# Altium PCB Board.PcbDoc (part 6 of 7) (continued)
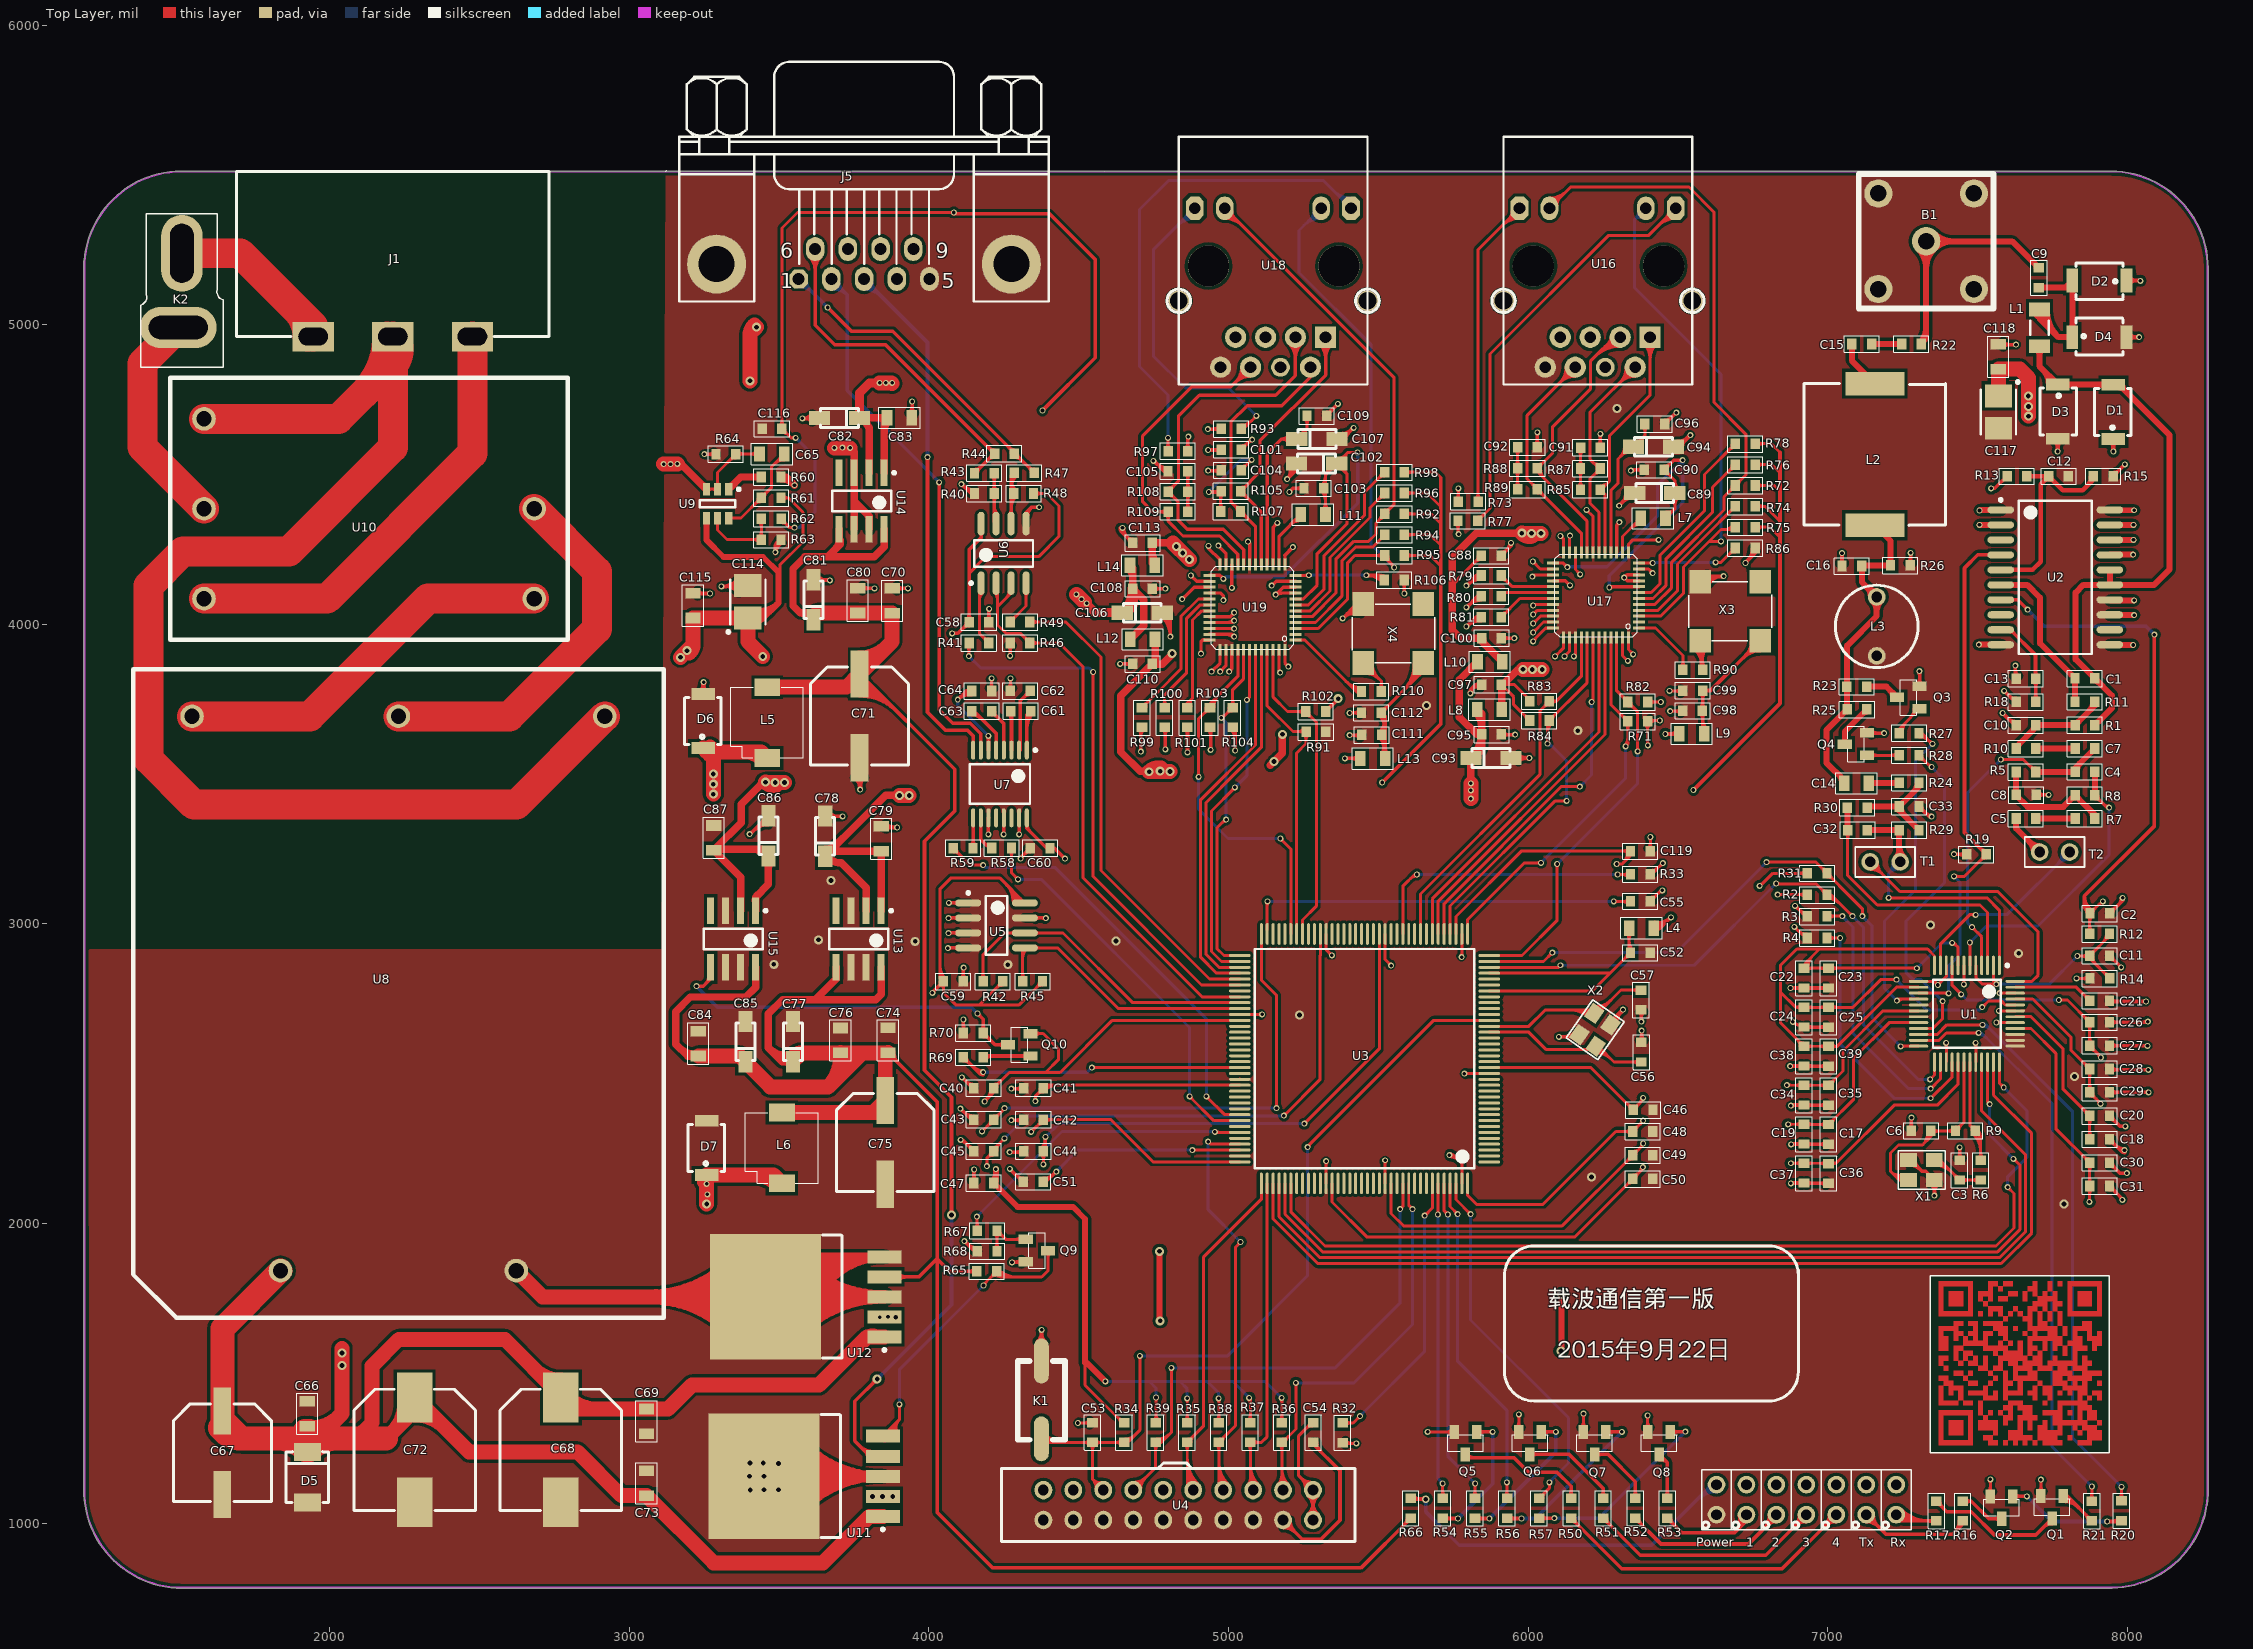
[diagram p0: Top Layer view]
## Nets (pads, with @x,y where several pads share a name; then routed paths per layer and width w, separated by ;. In a path a pad name is that pad's centre, name@x,y a point inside that pad or via, vN(x,y) a via of type N, cw(c..) or ccw(c..) an arc to the next point about the centre after c; other vN are vias at no path point) (continued)
; 7503.06,1404.79 7518.24,1404.79 ; 7503.06,1406.86 7518.24,1406.86 ; 7503.06,1408.93 7518.24,1408.93 ; 7503.06,1510.36 7534.8,1510.36 ; 7503.06,1512.43 7534.8,1512.43 ; 7503.06,1514.5 7534.8,1514.5 ; 7503.06,1516.57 7534.8,1516.57 ; 7503.06,1518.64 7534.8,1518.64 ; 7503.06,1520.71 7534.8,1520.71 ; 7503.06,1522.78 7534.8,1522.78 ; 7503.06,1524.85 7534.8,1524.85 ; 7503.06,1692.52 7518.24,1692.52 ; 7503.06,1694.59 7518.24,1694.59 ; 7503.06,1696.66 7518.24,1696.66 ; 7503.06,1698.73 7518.24,1698.73 ; 7503.06,1700.8 7518.24,1700.8 ; 7503.06,1702.87 7518.24,1702.87 ; 7503.06,1704.94 7518.24,1704.94 ; 7503.06,1707.01 7518.24,1707.01 ; 7503.06,1742.2 7518.24,1742.2 ; 7503.06,1744.27 7518.24,1744.27 ; 7503.06,1746.34 7518.24,1746.34 ; 7503.06,1748.41 7518.24,1748.41 ; 7503.06,1750.48 7518.24,1750.48 ; 7503.06,1752.55 7518.24,1752.55 ; 7503.06,1754.62 7518.24,1754.62 ; 7503.06,1756.69 7518.24,1756.69 ; 7503.06,1758.76 7551.36,1758.76 ; 7503.06,1760.83 7551.36,1760.83 ; 7503.06,1762.9 7551.36,1762.9 ; 7503.06,1764.97 7551.36,1764.97 ; 7503.06,1767.04 7551.36,1767.04 ; 7503.06,1769.11 7551.36,1769.11 ; 7503.06,1771.18 7551.36,1771.18 ; 7503.06,1773.25 7551.36,1773.25 ; 7519.62,1278.52 7551.36,1278.52 ; 7519.62,1280.59 7551.36,1280.59 ; 7519.62,1282.66 7551.36,1282.66 ; 7519.62,1284.73 7551.36,1284.73 ; 7519.62,1286.8 7551.36,1286.8 ; 7519.62,1288.87 7551.36,1288.87 ; 7519.62,1290.94 7551.36,1290.94 ; 7519.62,1293.01 7551.36,1293.01 ; 7519.62,1344.76 7534.8,1344.76 ; 7519.62,1346.83 7534.8,1346.83 ; 7519.62,1348.9 7534.8,1348.9 ; 7519.62,1350.97 7534.8,1350.97 ; 7519.62,1353.04 7534.8,1353.04 ; 7519.62,1355.11 7534.8,1355.11 ; 7519.62,1357.18 7534.8,1357.18 ; 7519.62,1359.25 7534.8,1359.25 ; 7519.62,1411 7567.92,1411 ; 7519.62,1413.07 7567.92,1413.07 ; 7519.62,1415.14 7567.92,1415.14 ; 7519.62,1417.21 7567.92,1417.21 ; 7519.62,1419.28 7567.92,1419.28 ; 7519.62,1421.35 7567.92,1421.35 ; 7519.62,1423.42 7567.92,1423.42 ; 7519.62,1425.49 7567.92,1425.49 ; 7519.62,1444.12 7534.8,1444.12 ; 7519.62,1446.19 7534.8,1446.19 ; 7519.62,1448.26 7534.8,1448.26 ; 7519.62,1450.33 7534.8,1450.33 ; 7519.62,1452.4 7534.8,1452.4 ; 7519.62,1454.47 7534.8,1454.47 ; 7519.62,1456.54 7534.8,1456.54 ; 7519.62,1458.61 7534.8,1458.61 ; 7519.62,1526.92 7534.8,1526.92 ; 7519.62,1528.99 7534.8,1528.99 ; 7519.62,1531.06 7534.8,1531.06 ; 7519.62,1533.13 7534.8,1533.13 ; 7519.62,1535.2 7534.8,1535.2 ; 7519.62,1537.27 7534.8,1537.27 ; 7519.62,1539.34 7534.8,1539.34 ; 7519.62,1541.41 7534.8,1541.41 ; 7519.62,1543.48 7534.8,1543.48 ; 7519.62,1545.55 7534.8,1545.55 ; 7519.62,1547.62 7534.8,1547.62 ; 7519.62,1549.69 7534.8,1549.69 ; 7519.62,1551.76 7534.8,1551.76 ; 7519.62,1553.83 7534.8,1553.83 ; 7519.62,1555.9 7534.8,1555.9 ; 7519.62,1557.97 7534.8,1557.97 ; 7519.62,1576.6 7601.04,1576.6 ; 7519.62,1578.67 7601.04,1578.67 ; 7519.62,1580.74 7601.04,1580.74 ; 7519.62,1582.81 7601.04,1582.81 ; 7519.62,1584.88 7601.04,1584.88 ; 7519.62,1586.95 7601.04,1586.95 ; 7519.62,1589.02 7601.04,1589.02 ; 7519.62,1591.09 7601.04,1591.09 ; 7519.62,1609.72 7534.8,1609.72 ; 7519.62,1611.79 7534.8,1611.79 ; 7519.62,1613.86 7534.8,1613.86 ; 7519.62,1615.93 7534.8,1615.93 ; 7519.62,1618 7534.8,1618 ; 7519.62,1620.07 7534.8,1620.07 ; 7519.62,1622.14 7534.8,1622.14 ; 7519.62,1624.21 7534.8,1624.21 ; 7519.62,1626.28 7551.36,1626.28 ; 7519.62,1628.35 7551.36,1628.35 ; 7519.62,1630.42 7551.36,1630.42 ; 7519.62,1632.49 7551.36,1632.49 ; 7519.62,1634.56 7551.36,1634.56 ; 7519.62,1636.63 7551.36,1636.63 ; 7519.62,1638.7 7551.36,1638.7 ; 7519.62,1640.77 7551.36,1640.77 ; 7519.62,1659.4 7584.48,1659.4 ; 7519.62,1661.47 7584.48,1661.47 ; 7519.62,1663.54 7584.48,1663.54 ; 7519.62,1665.61 7584.48,1665.61 ; 7519.62,1667.68 7584.48,1667.68 ; 7519.62,1669.75 7584.48,1669.75 ; 7519.62,1671.82 7584.48,1671.82 ; 7519.62,1673.89 7584.48,1673.89 ; 7519.62,1725.64 7534.8,1725.64 ; 7519.62,1727.71 7534.8,1727.71 ; 7519.62,1729.78 7534.8,1729.78 ; 7519.62,1731.85 7534.8,1731.85 ; 7519.62,1733.92 7534.8,1733.92 ; 7519.62,1735.99 7534.8,1735.99 ; 7519.62,1738.06 7534.8,1738.06 ; 7519.62,1740.13 7534.8,1740.13 ; 7536.18,1261.96 7567.92,1261.96 ; 7536.18,1264.03 7567.92,1264.03 ; 7536.18,1266.1 7567.92,1266.1 ; 7536.18,1268.17 7567.92,1268.17 ; 7536.18,1270.24 7567.92,1270.24 ; 7536.18,1272.31 7567.92,1272.31 ; 7536.18,1274.38 7567.92,1274.38 ; 7536.18,1276.45 7567.92,1276.45 ; 7536.18,1361.32 7551.36,1361.32 ; 7536.18,1363.39 7551.36,1363.39 ; 7536.18,1365.46 7551.36,1365.46 ; 7536.18,1367.53 7551.36,1367.53 ; 7536.18,1369.6 7551.36,1369.6 ; 7536.18,1371.67 7551.36,1371.67 ; 7536.18,1373.74 7551.36,1373.74 ; 7536.18,1375.81 7551.36,1375.81 ; 7536.18,1460.68 7551.36,1460.68 ; 7536.18,1462.75 7551.36,1462.75 ; 7536.18,1464.82 7551.36,1464.82 ; 7536.18,1466.89 7551.36,1466.89 ; 7536.18,1468.96 7551.36,1468.96 ; 7536.18,1471.03 7551.36,1471.03 ; 7536.18,1473.1 7551.36,1473.1 ; 7536.18,1475.17 7551.36,1475.17 ; 7536.18,1493.8 7551.36,1493.8 ; 7536.18,1495.87 7551.36,1495.87 ; 7536.18,1497.94 7551.36,1497.94 ; 7536.18,1500.01 7551.36,1500.01 ; 7536.18,1502.08 7551.36,1502.08 ; 7536.18,1504.15 7551.36,1504.15 ; 7536.18,1506.22 7551.36,1506.22 ; 7536.18,1508.29 7551.36,1508.29 ; 7536.18,1692.52 7551.36,1692.52 ; 7536.18,1694.59 7551.36,1694.59 ; 7536.18,1696.66 7551.36,1696.66 ; 7536.18,1698.73 7551.36,1698.73 ; 7536.18,1700.8 7551.36,1700.8 ; 7536.18,1702.87 7551.36,1702.87 ; 7536.18,1704.94 7551.36,1704.94 ; 7536.18,1707.01 7551.36,1707.01 ; 7536.18,1709.08 7584.48,1709.08 ; 7536.18,1711.15 7584.48,1711.15 ; 7536.18,1713.22 7584.48,1713.22 ; 7536.18,1715.29 7584.48,1715.29 ; 7536.18,1717.36 7584.48,1717.36 ; 7536.18,1719.43 7584.48,1719.43 ; 7536.18,1721.5 7584.48,1721.5 ; 7536.18,1723.57 7584.48,1723.57 ; 7536.18,1742.2 7551.36,1742.2 ; 7536.18,1744.27 7551.36,1744.27 ; 7536.18,1746.34 7551.36,1746.34 ; 7536.18,1748.41 7551.36,1748.41 ; 7536.18,1750.48 7551.36,1750.48 ; 7536.18,1752.55 7551.36,1752.55 ; 7536.18,1754.62 7551.36,1754.62 ; 7536.18,1756.69 7551.36,1756.69 ; 7536.18,1775.32 7551.36,1775.32 ; 7536.18,1777.39 7551.36,1777.39 ; 7536.18,1779.46 7551.36,1779.46 ; 7536.18,1781.53 7551.36,1781.53 ; 7536.18,1783.6 7551.36,1783.6 ; 7536.18,1785.67 7551.36,1785.67 ; 7536.18,1787.74 7551.36,1787.74 ; 7536.18,1789.81 7551.36,1789.81 ; 7536.18,1791.88 7567.92,1791.88 ; 7536.18,1793.95 7567.92,1793.95 ; 7536.18,1796.02 7567.92,1796.02 ; 7536.18,1798.09 7567.92,1798.09 ; 7536.18,1800.16 7567.92,1800.16 ; 7536.18,1802.23 7567.92,1802.23 ; 7536.18,1804.3 7567.92,1804.3 ; 7536.18,1806.37 7567.92,1806.37 ; 7552.74,1295.08 7567.92,1295.08 ; 7552.74,1297.15 7567.92,1297.15 ; 7552.74,1299.22 7567.92,1299.22 ; 7552.74,1301.29 7567.92,1301.29 ; 7552.74,1303.36 7567.92,1303.36 ; 7552.74,1305.43 7567.92,1305.43 ; 7552.74,1307.5 7567.92,1307.5 ; 7552.74,1309.57 7567.92,1309.57 ; 7552.74,1427.56 7567.92,1427.56 ; 7552.74,1429.63 7567.92,1429.63 ; 7552.74,1431.7 7567.92,1431.7 ; 7552.74,1433.77 7567.92,1433.77 ; 7552.74,1435.84 7567.92,1435.84 ; 7552.74,1437.91 7567.92,1437.91 ; 7552.74,1439.98 7567.92,1439.98 ; 7552.74,1442.05 7567.92,1442.05 ; 7552.74,1477.24 7567.92,1477.24 ; 7552.74,1479.31 7567.92,1479.31 ; 7552.74,1481.38 7567.92,1481.38 ; 7552.74,1483.45 7567.92,1483.45 ; 7552.74,1485.52 7567.92,1485.52 ; 7552.74,1487.59 7567.92,1487.59 ; 7552.74,1489.66 7567.92,1489.66 ; 7552.74,1491.73 7567.92,1491.73 ; 7552.74,1510.36 7584.48,1510.36 ; 7552.74,1512.43 7584.48,1512.43 ; 7552.74,1514.5 7584.48,1514.5 ; 7552.74,1516.57 7584.48,1516.57 ; 7552.74,1518.64 7584.48,1518.64 ; 7552.74,1520.71 7584.48,1520.71 ; 7552.74,1522.78 7584.48,1522.78 ; 7552.74,1524.85 7584.48,1524.85 ; 7552.74,1560.04 7567.92,1560.04 ; 7552.74,1562.11 7567.92,1562.11 ; 7552.74,1564.18 7567.92,1564.18 ; 7552.74,1566.25 7567.92,1566.25 ; 7552.74,1568.32 7567.92,1568.32 ; 7552.74,1570.39 7567.92,1570.39 ; 7552.74,1572.46 7567.92,1572.46 ; 7552.74,1574.53 7567.92,1574.53 ; 7552.74,1642.84 7601.04,1642.84 ; 7552.74,1644.91 7601.04,1644.91 ; 7552.74,1646.98 7601.04,1646.98 ; 7552.74,1649.05 7601.04,1649.05 ; 7552.74,1651.12 7601.04,1651.12 ; 7552.74,1653.19 7601.04,1653.19 ; 7552.74,1655.26 7601.04,1655.26 ; 7552.74,1657.33 7601.04,1657.33 ; 7569.3,1361.32 7584.48,1361.32 ; 7569.3,1363.39 7584.48,1363.39 ; 7569.3,1365.46 7584.48,1365.46 ; 7569.3,1367.53 7584.48,1367.53 ; 7569.3,1369.6 7584.48,1369.6 ; 7569.3,1371.67 7584.48,1371.67 ; 7569.3,1373.74 7584.48,1373.74 ; 7569.3,1375.81 7584.48,1375.81 ; 7569.3,1526.92 7584.48,1526.92 ; 7569.3,1528.99 7584.48,1528.99 ; 7569.3,1531.06 7584.48,1531.06 ; 7569.3,1533.13 7584.48,1533.13 ; 7569.3,1535.2 7584.48,1535.2 ; 7569.3,1537.27 7584.48,1537.27 ; 7569.3,1539.34 7584.48,1539.34 ; 7569.3,1541.41 7584.48,1541.41 ; 7569.3,1543.48 7667.28,1543.48 ; 7569.3,1545.55 7667.28,1545.55 ; 7569.3,1547.62 7667.28,1547.62 ; 7569.3,1549.69 7667.28,1549.69 ; 7569.3,1551.76 7667.28,1551.76 ; 7569.3,1553.83 7667.28,1553.83 ; 7569.3,1555.9 7667.28,1555.9 ; 7569.3,1557.97 7667.28,1557.97 ; 7569.3,1593.16 7584.48,1593.16 ; 7569.3,1595.23 7584.48,1595.23 ; 7569.3,1597.3 7584.48,1597.3 ; 7569.3,1599.37 7584.48,1599.37 ; 7569.3,1601.44 7584.48,1601.44 ; 7569.3,1603.51 7584.48,1603.51 ; 7569.3,1605.58 7584.48,1605.58 ; 7569.3,1607.65 7584.48,1607.65 ; 7569.3,1626.28 7601.04,1626.28 ; 7569.3,1628.35 7601.04,1628.35 ; 7569.3,1630.42 7601.04,1630.42 ; 7569.3,1632.49 7601.04,1632.49 ; 7569.3,1634.56 7601.04,1634.56 ; 7569.3,1636.63 7601.04,1636.63 ; 7569.3,1638.7 7601.04,1638.7 ; 7569.3,1640.77 7601.04,1640.77 ; 7569.3,1692.52 7584.48,1692.52 ; 7569.3,1694.59 7584.48,1694.59 ; 7569.3,1696.66 7584.48,1696.66 ; 7569.3,1698.73 7584.48,1698.73 ; 7569.3,1700.8 7584.48,1700.8 ; 7569.3,1702.87 7584.48,1702.87 ; 7569.3,1704.94 7584.48,1704.94 ; 7569.3,1707.01 7584.48,1707.01 ; 7569.3,1742.2 7601.04,1742.2 ; 7569.3,1744.27 7601.04,1744.27 ; 7569.3,1746.34 7601.04,1746.34 ; 7569.3,1748.41 7601.04,1748.41 ; 7569.3,1750.48 7601.04,1750.48 ; 7569.3,1752.55 7601.04,1752.55 ; 7569.3,1754.62 7601.04,1754.62 ; 7569.3,1756.69 7601.04,1756.69 ; 7569.3,1775.32 7584.48,1775.32 ; 7569.3,1777.39 7584.48,1777.39 ; 7569.3,1779.46 7584.48,1779.46 ; 7569.3,1781.53 7584.48,1781.53 ; 7569.3,1783.6 7584.48,1783.6 ; 7569.3,1785.67 7584.48,1785.67 ; 7569.3,1787.74 7584.48,1787.74 ; 7569.3,1789.81 7584.48,1789.81 ; 7585.86,1261.96 7601.04,1261.96 ; 7585.86,1264.03 7601.04,1264.03 ; 7585.86,1266.1 7601.04,1266.1 ; 7585.86,1268.17 7601.04,1268.17 ; 7585.86,1270.24 7601.04,1270.24 ; 7585.86,1272.31 7601.04,1272.31 ; 7585.86,1274.38 7601.04,1274.38 ; 7585.86,1276.45 7601.04,1276.45 ; 7585.86,1328.2 7601.04,1328.2 ; 7585.86,1330.27 7601.04,1330.27 ; 7585.86,1332.34 7601.04,1332.34 ; 7585.86,1334.41 7601.04,1334.41 ; 7585.86,1336.48 7601.04,1336.48 ; 7585.86,1338.55 7601.04,1338.55 ; 7585.86,1340.62 7601.04,1340.62 ; 7585.86,1342.69 7601.04,1342.69 ; 7585.86,1344.76 7617.6,1344.76 ; 7585.86,1346.83 7617.6,1346.83 ; 7585.86,1348.9 7617.6,1348.9 ; 7585.86,1350.97 7617.6,1350.97 ; 7585.86,1353.04 7617.6,1353.04 ; 7585.86,1355.11 7617.6,1355.11 ; 7585.86,1357.18 7617.6,1357.18 ; 7585.86,1359.25 7617.6,1359.25 ; 7585.86,1377.88 7617.6,1377.88 ; 7585.86,1379.95 7617.6,1379.95 ; 7585.86,1382.02 7617.6,1382.02 ; 7585.86,1384.09 7617.6,1384.09 ; 7585.86,1386.16 7617.6,1386.16 ; 7585.86,1388.23 7617.6,1388.23 ; 7585.86,1390.3 7617.6,1390.3 ; 7585.86,1392.37 7617.6,1392.37 ; 7585.86,1411 7601.04,1411 ; 7585.86,1413.07 7601.04,1413.07 ; 7585.86,1415.14 7601.04,1415.14 ; 7585.86,1417.21 7601.04,1417.21 ; 7585.86,1419.28 7601.04,1419.28 ; 7585.86,1421.35 7601.04,1421.35 ; 7585.86,1423.42 7601.04,1423.42 ; 7585.86,1425.49 7601.04,1425.49 ; 7585.86,1427.56 7650.72,1427.56 ; 7585.86,1429.63 7650.72,1429.63 ; 7585.86,1431.7 7650.72,1431.7 ; 7585.86,1433.77 7650.72,1433.77 ; 7585.86,1435.84 7650.72,1435.84 ; 7585.86,1437.91 7650.72,1437.91 ; 7585.86,1439.98 7650.72,1439.98 ; 7585.86,1442.05 7650.72,1442.05 ; 7585.86,1444.12 7601.04,1444.12 ; 7585.86,1446.19 7601.04,1446.19 ; 7585.86,1448.26 7601.04,1448.26 ; 7585.86,1450.33 7601.04,1450.33 ; 7585.86,1452.4 7601.04,1452.4 ; 7585.86,1454.47 7601.04,1454.47 ; 7585.86,1456.54 7601.04,1456.54 ; 7585.86,1458.61 7601.04,1458.61 ; 7585.86,1460.68 7617.6,1460.68 ; 7585.86,1462.75 7617.6,1462.75 ; 7585.86,1464.82 7617.6,1464.82 ; 7585.86,1466.89 7617.6,1466.89 ; 7585.86,1468.96 7617.6,1468.96 ; 7585.86,1471.03 7617.6,1471.03 ; 7585.86,1473.1 7617.6,1473.1 ; 7585.86,1475.17 7617.6,1475.17 ; 7585.86,1477.24 7601.04,1477.24 ; 7585.86,1479.31 7601.04,1479.31 ; 7585.86,1481.38 7601.04,1481.38 ; 7585.86,1483.45 7601.04,1483.45 ; 7585.86,1485.52 7601.04,1485.52 ; 7585.86,1487.59 7601.04,1487.59 ; 7585.86,1489.66 7601.04,1489.66 ; 7585.86,1491.73 7601.04,1491.73 ; 7585.86,1493.8 7601.04,1493.8 ; 7585.86,1495.87 7601.04,1495.87 ; 7585.86,1497.94 7601.04,1497.94 ; 7585.86,1500.01 7601.04,1500.01 ; 7585.86,1502.08 7601.04,1502.08 ; 7585.86,1504.15 7601.04,1504.15 ; 7585.86,1506.22 7601.04,1506.22 ; 7585.86,1508.29 7601.04,1508.29 ; 7585.86,1560.04 7650.72,1560.04 ; 7585.86,1562.11 7650.72,1562.11 ; 7585.86,1564.18 7650.72,1564.18 ; 7585.86,1566.25 7650.72,1566.25 ; 7585.86,1568.32 7650.72,1568.32 ; 7585.86,1570.39 7650.72,1570.39 ; 7585.86,1572.46 7650.72,1572.46 ; 7585.86,1574.53 7650.72,1574.53 ; 7585.86,1609.72 7601.04,1609.72 ; 7585.86,1611.79 7601.04,1611.79 ; 7585.86,1613.86 7601.04,1613.86 ; 7585.86,1615.93 7601.04,1615.93 ; 7585.86,1618 7601.04,1618 ; 7585.86,1620.07 7601.04,1620.07 ; 7585.86,1622.14 7601.04,1622.14 ; 7585.86,1624.21 7601.04,1624.21 ; 7585.86,1675.96 7601.04,1675.96 ; 7585.86,1678.03 7601.04,1678.03 ; 7585.86,1680.1 7601.04,1680.1 ; 7585.86,1682.17 7601.04,1682.17 ; 7585.86,1684.24 7601.04,1684.24 ; 7585.86,1686.31 7601.04,1686.31 ; 7585.86,1688.38 7601.04,1688.38 ; 7585.86,1690.45 7601.04,1690.45 ; 7585.86,1791.88 7617.6,1791.88 ; 7585.86,1793.95 7617.6,1793.95 ; 7585.86,1796.02 7617.6,1796.02 ; 7585.86,1798.09 7617.6,1798.09 ; 7585.86,1800.16 7617.6,1800.16 ; 7585.86,1802.23 7617.6,1802.23 ; 7585.86,1804.3 7617.6,1804.3 ; 7585.86,1806.37 7617.6,1806.37 ; 7602.42,1278.52 7683.84,1278.52 ; 7602.42,1280.59 7683.84,1280.59 ; 7602.42,1282.66 7683.84,1282.66 ; 7602.42,1284.73 7683.84,1284.73 ; 7602.42,1286.8 7683.84,1286.8 ; 7602.42,1288.87 7683.84,1288.87 ; 7602.42,1290.94 7683.84,1290.94 ; 7602.42,1293.01 7683.84,1293.01 ; 7602.42,1295.08 7650.72,1295.08 ; 7602.42,1297.15 7650.72,1297.15 ; 7602.42,1299.22 7650.72,1299.22 ; 7602.42,1301.29 7650.72,1301.29 ; 7602.42,1303.36 7650.72,1303.36 ; 7602.42,1305.43 7650.72,1305.43 ; 7602.42,1307.5 7650.72,1307.5 ; 7602.42,1309.57 7650.72,1309.57 ; 7602.42,1361.32 7617.6,1361.32 ; 7602.42,1363.39 7617.6,1363.39 ; 7602.42,1365.46 7617.6,1365.46 ; 7602.42,1367.53 7617.6,1367.53 ; 7602.42,1369.6 7617.6,1369.6 ; 7602.42,1371.67 7617.6,1371.67 ; 7602.42,1373.74 7617.6,1373.74 ; 7602.42,1375.81 7617.6,1375.81 ; 7602.42,1394.44 7650.72,1394.44 ; 7602.42,1396.51 7650.72,1396.51 ; 7602.42,1398.58 7650.72,1398.58 ; 7602.42,1400.65 7650.72,1400.65 ; 7602.42,1402.72 7650.72,1402.72 ; 7602.42,1404.79 7650.72,1404.79 ; 7602.42,1406.86 7650.72,1406.86 ; 7602.42,1408.93 7650.72,1408.93 ; 7602.42,1526.92 7634.16,1526.92 ; 7602.42,1528.99 7634.16,1528.99 ; 7602.42,1531.06 7634.16,1531.06 ; 7602.42,1533.13 7634.16,1533.13 ; 7602.42,1535.2 7634.16,1535.2 ; 7602.42,1537.27 7634.16,1537.27 ; 7602.42,1539.34 7634.16,1539.34 ; 7602.42,1541.41 7634.16,1541.41 ; 7602.42,1593.16 7617.6,1593.16 ; 7602.42,1595.23 7617.6,1595.23 ; 7602.42,1597.3 7617.6,1597.3 ; 7602.42,1599.37 7617.6,1599.37 ; 7602.42,1601.44 7617.6,1601.44 ; 7602.42,1603.51 7617.6,1603.51 ; 7602.42,1605.58 7617.6,1605.58 ; 7602.42,1607.65 7617.6,1607.65 ; 7602.42,1692.52 7617.6,1692.52 ; 7602.42,1694.59 7617.6,1694.59 ; 7602.42,1696.66 7617.6,1696.66 ; 7602.42,1698.73 7617.6,1698.73 ; 7602.42,1700.8 7617.6,1700.8 ; 7602.42,1702.87 7617.6,1702.87 ; 7602.42,1704.94 7617.6,1704.94 ; 7602.42,1707.01 7617.6,1707.01 ; 7602.42,1758.76 7634.16,1758.76 ; 7602.42,1760.83 7634.16,1760.83 ; 7602.42,1762.9 7634.16,1762.9 ; 7602.42,1764.97 7634.16,1764.97 ; 7602.42,1767.04 7634.16,1767.04 ; 7602.42,1769.11 7634.16,1769.11 ; 7602.42,1771.18 7634.16,1771.18 ; 7602.42,1773.25 7634.16,1773.25 ; 7618.98,1261.96 7634.16,1261.96 ; 7618.98,1264.03 7634.16,1264.03 ; 7618.98,1266.1 7634.16,1266.1 ; 7618.98,1268.17 7634.16,1268.17 ; 7618.98,1270.24 7634.16,1270.24 ; 7618.98,1272.31 7634.16,1272.31 ; 7618.98,1274.38 7634.16,1274.38 ; 7618.98,1276.45 7634.16,1276.45 ; 7618.98,1477.24 7700.4,1477.24 ; 7618.98,1479.31 7700.4,1479.31 ; 7618.98,1481.38 7700.4,1481.38 ; 7618.98,1483.45 7700.4,1483.45 ; 7618.98,1485.52 7700.4,1485.52 ; 7618.98,1487.59 7700.4,1487.59 ; 7618.98,1489.66 7700.4,1489.66 ; 7618.98,1491.73 7700.4,1491.73 ; 7618.98,1493.8 7634.16,1493.8 ; 7618.98,1495.87 7634.16,1495.87 ; 7618.98,1497.94 7634.16,1497.94 ; 7618.98,1500.01 7634.16,1500.01 ; 7618.98,1502.08 7634.16,1502.08 ; 7618.98,1504.15 7634.16,1504.15 ; 7618.98,1506.22 7634.16,1506.22 ; 7618.98,1508.29 7634.16,1508.29 ; 7618.98,1510.36 7683.84,1510.36 ; 7618.98,1512.43 7683.84,1512.43 ; 7618.98,1514.5 7683.84,1514.5 ; 7618.98,1516.57 7683.84,1516.57 ; 7618.98,1518.64 7683.84,1518.64 ; 7618.98,1520.71 7683.84,1520.71 ; 7618.98,1522.78 7683.84,1522.78 ; 7618.98,1524.85 7683.84,1524.85 ; 7618.98,1642.84 7634.16,1642.84 ; 7618.98,1644.91 7634.16,1644.91 ; 7618.98,1646.98 7634.16,1646.98 ; 7618.98,1649.05 7634.16,1649.05 ; 7618.98,1651.12 7634.16,1651.12 ; 7618.98,1653.19 7634.16,1653.19 ; 7618.98,1655.26 7634.16,1655.26 ; 7618.98,1657.33 7634.16,1657.33 ; 7618.98,1709.08 7634.16,1709.08 ; 7618.98,1711.15 7634.16,1711.15 ; 7618.98,1713.22 7634.16,1713.22 ; 7618.98,1715.29 7634.16,1715.29 ; 7618.98,1717.36 7634.16,1717.36 ; 7618.98,1719.43 7634.16,1719.43 ; 7618.98,1721.5 7634.16,1721.5 ; 7618.98,1723.57 7634.16,1723.57 ; 7635.54,1311.64 7650.72,1311.64 ; 7635.54,1313.71 7650.72,1313.71 ; 7635.54,1315.78 7650.72,1315.78 ; 7635.54,1317.85 7650.72,1317.85 ; 7635.54,1319.92 7650.72,1319.92 ; 7635.54,1321.99 7650.72,1321.99 ; 7635.54,1324.06 7650.72,1324.06 ; 7635.54,1326.13 7650.72,1326.13 ; 7635.54,1328.2 7650.72,1328.2 ; 7635.54,1330.27 7650.72,1330.27 ; 7635.54,1332.34 7650.72,1332.34 ; 7635.54,1334.41 7650.72,1334.41 ; 7635.54,1336.48 7650.72,1336.48 ; 7635.54,1338.55 7650.72,1338.55 ; 7635.54,1340.62 7650.72,1340.62 ; 7635.54,1342.69 7650.72,1342.69 ; 7635.54,1344.76 7700.4,1344.76 ; 7635.54,1346.83 7700.4,1346.83 ; 7635.54,1348.9 7700.4,1348.9 ; 7635.54,1350.97 7700.4,1350.97 ; 7635.54,1353.04 7700.4,1353.04 ; 7635.54,1355.11 7700.4,1355.11 ; 7635.54,1357.18 7700.4,1357.18 ; 7635.54,1359.25 7700.4,1359.25 ; 7635.54,1377.88 7683.84,1377.88 ; 7635.54,1379.95 7683.84,1379.95 ; 7635.54,1382.02 7683.84,1382.02 ; 7635.54,1384.09 7683.84,1384.09 ; 7635.54,1386.16 7683.84,1386.16 ; 7635.54,1388.23 7683.84,1388.23 ; 7635.54,1390.3 7683.84,1390.3 ; 7635.54,1392.37 7683.84,1392.37 ; 7635.54,1444.12 7650.72,1444.12 ; 7635.54,1446.19 7650.72,1446.19 ; 7635.54,1448.26 7650.72,1448.26 ; 7635.54,1450.33 7650.72,1450.33 ; 7635.54,1452.4 7650.72,1452.4 ; 7635.54,1454.47 7650.72,1454.47 ; 7635.54,1456.54 7650.72,1456.54 ; 7635.54,1458.61 7650.72,1458.61 ; 7635.54,1460.68 7650.72,1460.68 ; 7635.54,1462.75 7650.72,1462.75 ; 7635.54,1464.82 7650.72,1464.82 ; 7635.54,1466.89 7650.72,1466.89 ; 7635.54,1468.96 7650.72,1468.96 ; 7635.54,1471.03 7650.72,1471.03 ; 7635.54,1473.1 7650.72,1473.1 ; 7635.54,1475.17 7650.72,1475.17 ; 7635.54,1576.6 7650.72,1576.6 ; 7635.54,1578.67 7650.72,1578.67 ; 7635.54,1580.74 7650.72,1580.74 ; 7635.54,1582.81 7650.72,1582.81 ; 7635.54,1584.88 7650.72,1584.88 ; 7635.54,1586.95 7650.72,1586.95 ; 7635.54,1589.02 7650.72,1589.02 ; 7635.54,1591.09 7650.72,1591.09 ; 7635.54,1593.16 7650.72,1593.16 ; 7635.54,1595.23 7650.72,1595.23 ; 7635.54,1597.3 7650.72,1597.3 ; 7635.54,1599.37 7650.72,1599.37 ; 7635.54,1601.44 7650.72,1601.44 ; 7635.54,1603.51 7650.72,1603.51 ; 7635.54,1605.58 7650.72,1605.58 ; 7635.54,1607.65 7650.72,1607.65 ; 7635.54,1692.52 7650.72,1692.52 ; 7635.54,1694.59 7650.72,1694.59 ; 7635.54,1696.66 7650.72,1696.66 ; 7635.54,1698.73 7650.72,1698.73 ; 7635.54,1700.8 7650.72,1700.8 ; 7635.54,1702.87 7650.72,1702.87 ; 7635.54,1704.94 7650.72,1704.94 ; 7635.54,1707.01 7650.72,1707.01 ; 7652.1,1261.96 7667.28,1261.96 ; 7652.1,1264.03 7667.28,1264.03 ; 7652.1,1266.1 7667.28,1266.1 ; 7652.1,1268.17 7667.28,1268.17 ; 7652.1,1270.24 7667.28,1270.24 ; 7652.1,1272.31 7667.28,1272.31 ; 7652.1,1274.38 7667.28,1274.38 ; 7652.1,1276.45 7667.28,1276.45 ; 7652.1,1361.32 7683.84,1361.32 ; 7652.1,1363.39 7683.84,1363.39 ; 7652.1,1365.46 7683.84,1365.46 ; 7652.1,1367.53 7683.84,1367.53 ; 7652.1,1369.6 7683.84,1369.6 ; 7652.1,1371.67 7683.84,1371.67 ; 7652.1,1373.74 7683.84,1373.74 ; 7652.1,1375.81 7683.84,1375.81 ; 7652.1,1526.92 7716.96,1526.92 ; 7652.1,1528.99 7716.96,1528.99 ; 7652.1,1531.06 7716.96,1531.06 ; 7652.1,1533.13 7716.96,1533.13 ; 7652.1,1535.2 7716.96,1535.2 ; 7652.1,1537.27 7716.96,1537.27 ; 7652.1,1539.34 7716.96,1539.34 ; 7652.1,1541.41 7716.96,1541.41 ; 7652.1,1626.28 7667.28,1626.28 ; 7652.1,1628.35 7667.28,1628.35 ; 7652.1,1630.42 7667.28,1630.42 ; 7652.1,1632.49 7667.28,1632.49 ; 7652.1,1634.56 7667.28,1634.56 ; 7652.1,1636.63 7667.28,1636.63 ; 7652.1,1638.7 7667.28,1638.7 ; 7652.1,1640.77 7667.28,1640.77 ; 7652.1,1675.96 7683.84,1675.96 ; 7652.1,1678.03 7683.84,1678.03 ; 7652.1,1680.1 7683.84,1680.1 ; 7652.1,1682.17 7683.84,1682.17 ; 7652.1,1684.24 7683.84,1684.24 ; 7652.1,1686.31 7683.84,1686.31 ; 7652.1,1688.38 7683.84,1688.38 ; 7652.1,1690.45 7683.84,1690.45 ; 7652.1,1742.2 7667.28,1742.2 ; 7652.1,1744.27 7667.28,1744.27 ; 7652.1,1746.34 7667.28,1746.34 ; 7652.1,1748.41 7667.28,1748.41 ; 7652.1,1750.48 7667.28,1750.48 ; 7652.1,1752.55 7667.28,1752.55 ; 7652.1,1754.62 7667.28,1754.62 ; 7652.1,1756.69 7667.28,1756.69 ; 7652.1,1758.76 7667.28,1758.76 ; 7652.1,1760.83 7667.28,1760.83 ; 7652.1,1762.9 7667.28,1762.9 ; 7652.1,1764.97 7667.28,1764.97 ; 7652.1,1767.04 7667.28,1767.04 ; 7652.1,1769.11 7667.28,1769.11 ; 7652.1,1771.18 7667.28,1771.18 ; 7652.1,1773.25 7667.28,1773.25 ; 7668.66,1311.64 7683.84,1311.64 ; 7668.66,1313.71 7683.84,1313.71 ; 7668.66,1315.78 7683.84,1315.78 ; 7668.66,1317.85 7683.84,1317.85 ; 7668.66,1319.92 7683.84,1319.92 ; 7668.66,1321.99 7683.84,1321.99 ; 7668.66,1324.06 7683.84,1324.06 ; 7668.66,1326.13 7683.84,1326.13 ; 7668.66,1328.2 7683.84,1328.2 ; 7668.66,1330.27 7683.84,1330.27 ; 7668.66,1332.34 7683.84,1332.34 ; 7668.66,1334.41 7683.84,1334.41 ; 7668.66,1336.48 7683.84,1336.48 ; 7668.66,1338.55 7683.84,1338.55 ; 7668.66,1340.62 7683.84,1340.62 ; 7668.66,1342.69 7683.84,1342.69 ; 7668.66,1427.56 7700.4,1427.56 ; 7668.66,1429.63 7700.4,1429.63 ; 7668.66,1431.7 7700.4,1431.7 ; 7668.66,1433.77 7700.4,1433.77 ; 7668.66,1435.84 7700.4,1435.84 ; 7668.66,1437.91 7700.4,1437.91 ; 7668.66,1439.98 7700.4,1439.98 ; 7668.66,1442.05 7700.4,1442.05 ; 7668.66,1493.8 7700.4,1493.8 ; 7668.66,1495.87 7700.4,1495.87 ; 7668.66,1497.94 7700.4,1497.94 ; 7668.66,1500.01 7700.4,1500.01 ; 7668.66,1502.08 7700.4,1502.08 ; 7668.66,1504.15 7700.4,1504.15 ; 7668.66,1506.22 7700.4,1506.22 ; 7668.66,1508.29 7700.4,1508.29 ; 7668.66,1560.04 7683.84,1560.04 ; 7668.66,1562.11 7683.84,1562.11 ; 7668.66,1564.18 7683.84,1564.18 ; 7668.66,1566.25 7683.84,1566.25 ; 7668.66,1568.32 7683.84,1568.32 ; 7668.66,1570.39 7683.84,1570.39 ; 7668.66,1572.46 7683.84,1572.46 ; 7668.66,1574.53 7683.84,1574.53 ; 7668.66,1576.6 7700.4,1576.6 ; 7668.66,1578.67 7700.4,1578.67 ; 7668.66,1580.74 7700.4,1580.74 ; 7668.66,1582.81 7700.4,1582.81 ; 7668.66,1584.88 7700.4,1584.88 ; 7668.66,1586.95 7700.4,1586.95 ; 7668.66,1589.02 7700.4,1589.02 ; 7668.66,1591.09 7700.4,1591.09 ; 7668.66,1593.16 7683.84,1593.16 ; 7668.66,1595.23 7683.84,1595.23 ; 7668.66,1597.3 7683.84,1597.3 ; 7668.66,1599.37 7683.84,1599.37 ; 7668.66,1601.44 7683.84,1601.44 ; 7668.66,1603.51 7683.84,1603.51 ; 7668.66,1605.58 7683.84,1605.58 ; 7668.66,1607.65 7683.84,1607.65 ; 7668.66,1609.72 7783.2,1609.72 ; 7668.66,1611.79 7783.2,1611.79 ; 7668.66,1613.86 7783.2,1613.86 ; 7668.66,1615.93 7783.2,1615.93 ; 7668.66,1618 7783.2,1618 ; 7668.66,1620.07 7783.2,1620.07 ; 7668.66,1622.14 7783.2,1622.14 ; 7668.66,1624.21 7783.2,1624.21 ; 7668.66,1642.84 7766.64,1642.84 ; 7668.66,1644.91 7766.64,1644.91 ; 7668.66,1646.98 7766.64,1646.98 ; 7668.66,1649.05 7766.64,1649.05 ; 7668.66,1651.12 7766.64,1651.12 ; 7668.66,1653.19 7766.64,1653.19 ; 7668.66,1655.26 7766.64,1655.26 ; 7668.66,1657.33 7766.64,1657.33 ; 7668.66,1659.4 7683.84,1659.4 ; 7668.66,1661.47 7683.84,1661.47 ; 7668.66,1663.54 7683.84,1663.54 ; 7668.66,1665.61 7683.84,1665.61 ; 7668.66,1667.68 7683.84,1667.68 ; 7668.66,1669.75 7683.84,1669.75 ; 7668.66,1671.82 7683.84,1671.82 ; 7668.66,1673.89 7683.84,1673.89 ; 7668.66,1692.52 7683.84,1692.52 ; 7668.66,1694.59 7683.84,1694.59 ; 7668.66,1696.66 7683.84,1696.66 ; 7668.66,1698.73 7683.84,1698.73 ; 7668.66,1700.8 7683.84,1700.8 ; 7668.66,1702.87 7683.84,1702.87 ; 7668.66,1704.94 7683.84,1704.94 ; 7668.66,1707.01 7683.84,1707.01 ; 7668.66,1709.08 7700.4,1709.08 ; 7668.66,1711.15 7700.4,1711.15 ; 7668.66,1713.22 7700.4,1713.22 ; 7668.66,1715.29 7700.4,1715.29 ; 7668.66,1717.36 7700.4,1717.36 ; 7668.66,1719.43 7700.4,1719.43 ; 7668.66,1721.5 7700.4,1721.5 ; 7668.66,1723.57 7700.4,1723.57 ; 7668.66,1775.32 7700.4,1775.32 ; 7668.66,1777.39 7700.4,1777.39 ; 7668.66,1779.46 7700.4,1779.46 ; 7668.66,1781.53 7700.4,1781.53 ; 7668.66,1783.6 7700.4,1783.6 ; 7668.66,1785.67 7700.4,1785.67 ; 7668.66,1787.74 7700.4,1787.74 ; 7668.66,1789.81 7700.4,1789.81 ; 7685.22,1261.96 7700.4,1261.96 ; 7685.22,1264.03 7700.4,1264.03 ; 7685.22,1266.1 7700.4,1266.1 ; 7685.22,1268.17 7700.4,1268.17 ; 7685.22,1270.24 7700.4,1270.24 ; 7685.22,1272.31 7700.4,1272.31 ; 7685.22,1274.38 7700.4,1274.38 ; 7685.22,1276.45 7700.4,1276.45 ; 7685.22,1411 7700.4,1411 ; 7685.22,1413.07 7700.4,1413.07 ; 7685.22,1415.14 7700.4,1415.14 ; 7685.22,1417.21 7700.4,1417.21 ; 7685.22,1419.28 7700.4,1419.28 ; 7685.22,1421.35 7700.4,1421.35 ; 7685.22,1423.42 7700.4,1423.42 ; 7685.22,1425.49 7700.4,1425.49 ; 7685.22,1444.12 7700.4,1444.12 ; 7685.22,1446.19 7700.4,1446.19 ; 7685.22,1448.26 7700.4,1448.26 ; 7685.22,1450.33 7700.4,1450.33 ; 7685.22,1452.4 7700.4,1452.4 ; 7685.22,1454.47 7700.4,1454.47 ; 7685.22,1456.54 7700.4,1456.54 ; 7685.22,1458.61 7700.4,1458.61 ; 7685.22,1543.48 7716.96,1543.48 ; 7685.22,1545.55 7716.96,1545.55 ; 7685.22,1547.62 7716.96,1547.62 ; 7685.22,1549.69 7716.96,1549.69 ; 7685.22,1551.76 7716.96,1551.76 ; 7685.22,1553.83 7716.96,1553.83 ; 7685.22,1555.9 7716.96,1555.9 ; 7685.22,1557.97 7716.96,1557.97 ; 7685.22,1626.28 7700.4,1626.28 ; 7685.22,1628.35 7700.4,1628.35 ; 7685.22,1630.42 7700.4,1630.42 ; 7685.22,1632.49 7700.4,1632.49 ; 7685.22,1634.56 7700.4,1634.56 ; 7685.22,1636.63 7700.4,1636.63 ; 7685.22,1638.7 7700.4,1638.7 ; 7685.22,1640.77 7700.4,1640.77 ; 7685.22,1725.64 7733.52,1725.64 ; 7685.22,1727.71 7733.52,1727.71 ; 7685.22,1729.78 7733.52,1729.78 ; 7685.22,1731.85 7733.52,1731.85 ; 7685.22,1733.92 7733.52,1733.92 ; 7685.22,1735.99 7733.52,1735.99 ; 7685.22,1738.06 7733.52,1738.06 ; 7685.22,1740.13 7733.52,1740.13 ; 7685.22,1758.76 7700.4,1758.76 ; 7685.22,1760.83 7700.4,1760.83 ; 7685.22,1762.9 7700.4,1762.9 ; 7685.22,1764.97 7700.4,1764.97 ; 7685.22,1767.04 7700.4,1767.04 ; 7685.22,1769.11 7700.4,1769.11 ; 7685.22,1771.18 7700.4,1771.18 ; 7685.22,1773.25 7700.4,1773.25 ; 7685.22,1791.88 7700.4,1791.88 ; 7685.22,1793.95 7700.4,1793.95 ; 7685.22,1796.02 7700.4,1796.02 ; 7685.22,1798.09 7700.4,1798.09 ; 7685.22,1800.16 7700.4,1800.16 ; 7685.22,1802.23 7700.4,1802.23 ; 7685.22,1804.3 7700.4,1804.3 ; 7685.22,1806.37 7700.4,1806.37 ; 7701.78,1278.52 7766.64,1278.52 ; 7701.78,1280.59 7766.64,1280.59 ; 7701.78,1282.66 7766.64,1282.66 ; 7701.78,1284.73 7766.64,1284.73 ; 7701.78,1286.8 7766.64,1286.8 ; 7701.78,1288.87 7766.64,1288.87 ; 7701.78,1290.94 7766.64,1290.94 ; 7701.78,1293.01 7766.64,1293.01 ; 7701.78,1295.08 7783.2,1295.08 ; 7701.78,1297.15 7783.2,1297.15 ; 7701.78,1299.22 7783.2,1299.22 ; 7701.78,1301.29 7783.2,1301.29